# Allegro board SSOM_K1_Layout.brd (continued)
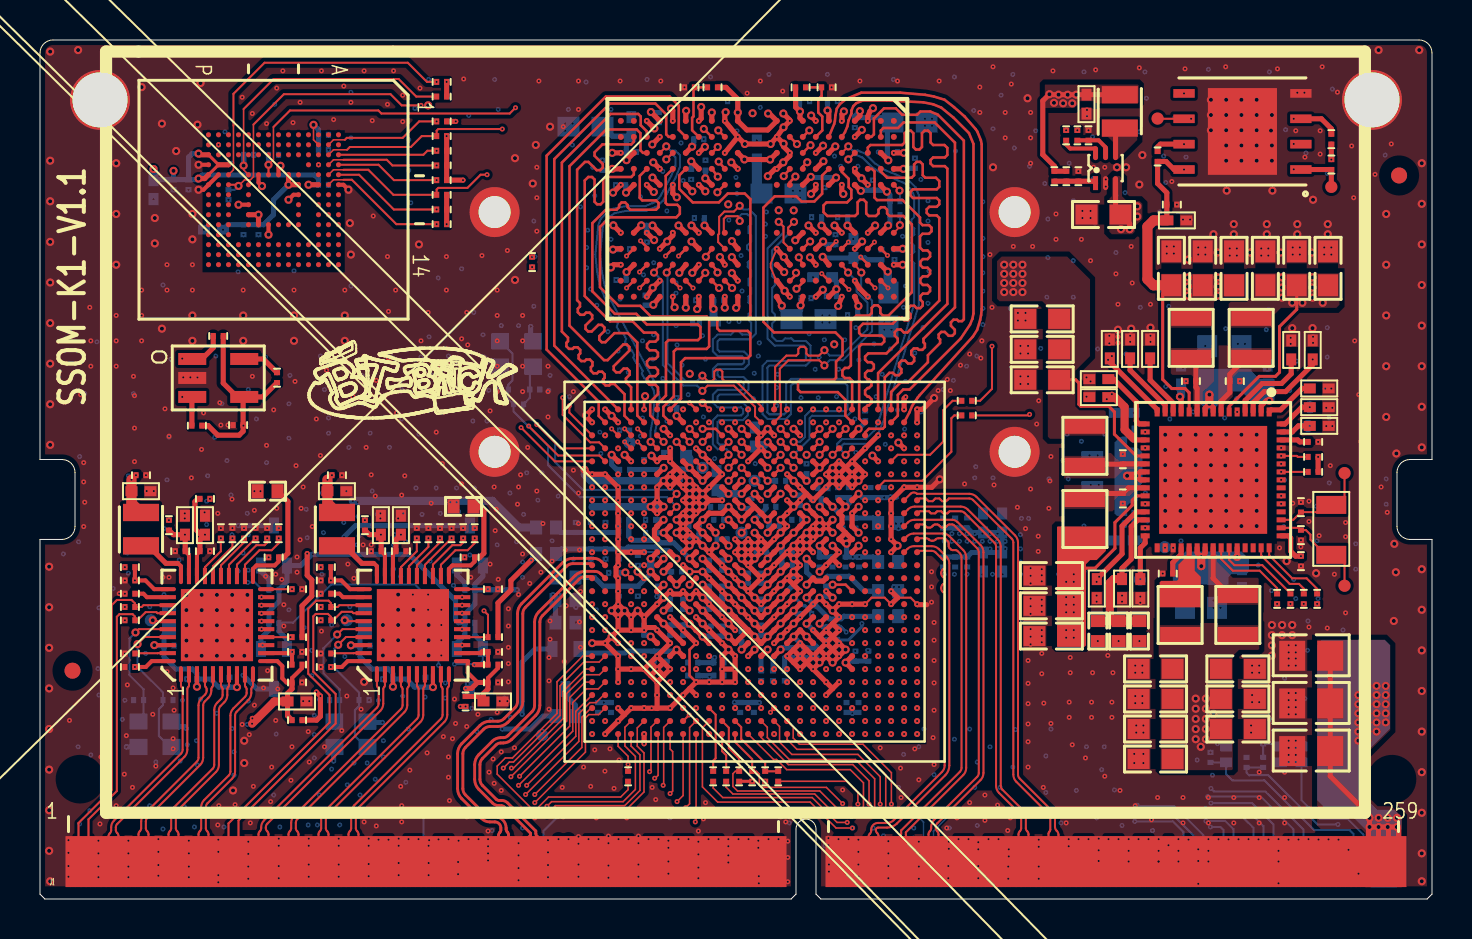
[diagram p0: board, top side]
## Routing (per net, layer and track width the routed paths; a pad name or vN(x,y) marks a point on that pad's centre or on a via; arc(x,y) is an arc through that point) (continued)
  vias: v1(1.42,2.95) v1(1.42,2.31) v1(1.42,1.65) v1(1.42,1.12) v1(1.47,8.94) v1(2.03,25.25) v1(2.18,21.84) v1(2.18,20.88) v1(2.24,19.86) v1(2.18,18.64) v1(2.49,29.62) v1(2.92,2.92) v1(2.92,2.29) v1(2.92,1.63) v1(2.92,1.09) v1(3.05,7.11) v1(3,3.76) v1(3.81,4.67) v1(3.96,15.29) v1(4.24,15.95) v1(4.24,15.28) v1(4.24,14.62) v1(4.24,12.29) v1(4.22,6.25) v1(4.37,10.72) v1(4.42,2.92) v1(4.42,2.29) v1(4.42,1.63) v1(4.42,1.09) v1(4.62,5.59) v1(4.67,26.16) v1(4.72,25.2) v1(4.72,23.57) v1(4.72,21.89) v1(5.33,20.42) v1(5.64,9.25) v1(5.69,20.42) v1(5.92,3) v1(5.92,2.36) v1(5.92,1.7) v1(5.92,1.17) v1(6.15,16.1) v1(6.25,24.54) v1(6.35,11.38) v1(6.45,23.16) v1(6.45,16.1) v1(6.65,10.57) v1(6.65,8.03) v1(6.76,17.41) v1(7.16,26.11) v1(7.24,19.3) v1(7.24,19.05) v1(7.44,2.92) v1(7.44,2.29) v1(7.44,1.63) v1(7.44,1.09) v1(7.52,26.11) v1(7.57,21.08) v1(7.87,26.11) v1(8.08,22.5) v1(8.18,24.33) v1(8.23,19.35) v1(8.5,17.41) v1(8.93,37.75) v1(8.92,1.19) v1(8.92,0.84) v1(8.99,24.84) v1(9.04,23.72) v1(9.04,18.56) v1(9.4,23.72) v1(9.6,20.02) v1(9.75,4.72) v1(10.11,40.13) v1(10.2,18.56) v1(10.46,8.23) v1(10.52,3.81) v1(10.62,39.32) v1(10.62,26.16) v1(10.67,5.64) v1(10.78,18.56) v1(10.97,4.32) v1(11.33,38.81) v1(11.33,22.71) v1(11.36,18.56) v1(11.53,4.88) v1(11.68,24.49) v1(11.84,40.59) v1(11.79,16.26) v1(11.94,3.02) v1(11.94,2.67) v1(12.14,41.45) v1(12.09,16) v1(12.65,38.86) v1(12.75,25.91) v1(12.8,21.69) v1(12.85,17.12) v1(13,39.88) v1(13.16,20.62) v1(13.41,8.38) v1(13.44,3.02) v1(13.44,2.67) v1(13.46,6.86) v1(13.61,18.64) v1(13.82,24.03) v1(13.93,36.75) v1(14.02,22.2) v1(14.04,15.95) v1(14.07,41.45) v1(14.22,7.62) v1(14.33,26.47) v1(14.68,39.01) v1(14.94,3.02) v1(14.94,2.67) v1(15.1,21.22) v1(15.09,8.43) v1(15.19,40.69) v1(15.32,20.41) v1(15.39,16.76) v1(15.54,39.88) v1(15.65,25.15) v1(15.7,16.05) v1(16.21,41.45) v1(16.21,3.86) v1(16.31,22.61) v1(16.43,3.02) v1(16.43,2.67) v1(16.61,38.96) v1(16.56,21.23) v1(16.66,34.19) v1(16.71,4.42) v1(16.81,25.96) v1(16.76,20.17) v1(16.81,3.66) v1(17.02,19.3) v1(17.02,19.05) v1(17.37,39.78) v1(17.37,32.16) v1(17.42,29.41) v1(17.42,27.08) v1(17.68,41.45) v1(17.83,24.33) v1(17.91,19.05) v1(17.93,3.02) v1(17.93,2.67) v1(18.03,5.64) v1(18.14,40.23) v1(18.14,38.91) v1(18.08,20.22) v1(18.08,4.67) v1(18.08,3.86) v1(18.24,21.18) v1(18.16,19.3) v1(18.49,6.45) v1(18.64,42.52) v1(18.64,15.24) v1(18.84,18.56) v1(18.9,25.81) v1(19,40.59) v1(19.41,29.36) v1(19.42,18.56) v1(19.41,15.24) v1(19.41,14.48) v1(19.35,7.32) v1(19.43,2.67) v1(19.46,2.95) v1(19.56,19.81) v1(19.71,42.52) v1(19.81,23.37) v1(20,18.56) v1(20.12,21.79) v1(20.07,14.48) v1(20.07,13.72) v1(20.07,12.95) v1(20.07,12.19) v1(20.17,8.13) v1(20.32,32.16) v1(20.58,18.56) v1(20.73,10.01) v1(20.83,42.52) v1(20.78,8.79) v1(20.93,2.92) v1(21.08,28.04) v1(21.08,20.78) v1(21.18,41.05) v1(21.16,18.56) v1(21.23,17.1) v1(21.34,29.36) v1(21.39,27.74) v1(21.54,16.1) v1(21.89,42.52) v1(22.1,32.21) v1(22.4,3) v1(22.4,2.64) v1(22.4,2.29) v1(22.4,1.93) v1(22.5,24.43) v1(22.5,16.76) v1(22.45,6.35) v1(22.71,20.62) v1(22.81,19.51) v1(22.76,18.44) v1(22.91,16) v1(22.96,42.52) v1(23.37,32.46) v1(23.72,7.57) v1(23.93,20.62) v1(23.88,19.76) v1(24.03,21.23) v1(24.38,22.61) v1(24.84,36.63) v1(24.84,35.1) v1(24.84,33.43) v1(24.84,20.42) v1(26.16,38.66) v1(26.16,4.11) v1(26.67,21.46) v1(26.92,39.52) v1(26.92,3.12) v1(27.61,8.91) v1(27.61,8.26) v1(28.42,3.15) v1(28.42,2.79) v1(28.5,7.52) v1(28.96,6.96) v1(29.92,3.15) v1(29.92,2.79) v1(30.78,4.98) v1(31.42,2.92) v1(31.42,2.57) v1(31.6,4.17) v1(32.92,3.4) v1(32.92,2.87) v1(32.92,2.24) v1(32.92,1.57) v1(32.92,1.04) v1(33.17,4.01) v1(34.42,3) v1(34.42,2.64) v1(34.42,2.18) v1(34.42,1.83) v1(35.92,2.92) v1(35.92,2.57) v1(35.94,1.14) v1(35.94,0.79) v1(37.03,4.11) v1(37.29,3.86) v1(37.39,2.9) v1(37.39,2.08) v1(37.39,0.86) v1(37.49,4.11) v1(39.42,2.69) v1(39.45,1.73) v1(39.45,1.37) v1(43.21,8.26) v1(43.86,8.91) v1(44.58,16.38) v1(44.58,15.62) v1(44.58,14.86) v1(44.7,13.84) v1(44.7,12.95) v1(44.7,11.94) v1(44.7,10.82) v1(44.7,9.45) v1(44.65,8.08) v1(44.91,25.45) v1(45.36,26.01) v1(45.44,2.87) v1(45.44,2.51) v1(45.52,25.45) v1(46.02,26.72) v1(46.23,20.78) v1(46.48,27.28) v1(46.91,2.84) v1(46.91,2.49) v1(47.04,27.08) v1(47.09,27.94) v1(47.24,42.57) v1(47.5,32.26) v1(47.6,29.62) v1(47.65,41.66) v1(47.7,20.73) v1(48.31,42.57) v1(48.44,2.49) v1(48.44,2.13) v1(48.56,40.79) v1(48.67,32.66) v1(48.9,29.34) v1(48.9,28.96) v1(48.87,19.61) v1(49.28,29.34) v1(49.28,18.54) v1(49.38,42.57) v1(49.53,20.52) v1(49.63,32.66) v1(49.83,23.77) v1(49.94,24.94) v1(49.91,18.16) v1(49.91,17.4) v1(49.94,2.97) v1(49.94,2.62) v1(50.09,16.51) v1(50.09,16.21) v1(50.09,15.9) v1(50.09,14.99) v1(50.09,14.68) v1(50.09,14.38) v1(50.09,13.46) v1(50.09,13.16) v1(50.09,12.85) v1(50.09,12.29) v1(50.09,11.28) v1(50.19,9.8) v1(50.44,19.56) v1(50.55,22.15) v1(50.5,20.93) v1(50.55,8.79) v1(50.6,42.57) v1(50.65,41.45) v1(51.44,3) v1(51.44,2.64) v1(51.51,12.09) v1(51.51,11.33) v1(51.46,9.86) v1(51.46,9.09) v1(51.61,7.72) v1(51.66,42.57) v1(52.35,39.5) v1(52.35,39.19) v1(52.32,26.11) v1(52.32,25.15) v1(52.27,7.06) v1(52.43,38.48) v1(52.53,25.91) v1(52.63,11.33) v1(52.58,9.86) v1(52.58,9.09) v1(52.73,42.57) v1(52.78,41.5) v1(52.83,15.19) v1(52.83,14.88) v1(52.93,3.02) v1(52.93,2.44) v1(52.93,1.91) v1(53.24,6.15) v1(53.39,12.19) v1(53.64,11.33) v1(53.59,9.86) v1(53.59,9.09) v1(53.85,42.57) v1(53.8,31.29) v1(53.9,29.77) v1(53.9,28.14) v1(53.9,27.84) v1(54,5.44) v1(54.14,22.27) v1(54.14,19.8) v1(54.1,15.19) v1(54.1,14.88) v1(54.43,3) v1(54.43,2.41) v1(54.43,1.88) v1(54.51,28.19) v1(54.51,27.89) v1(54.56,32.66) v1(54.61,30.84) v1(54.76,11.68) v1(54.76,11.33) v1(54.76,10.16) v1(54.76,9.8) v1(54.81,8.69) v1(54.81,8.33) v1(54.76,4.67) v1(54.91,42.57) v1(54.97,41.61) v1(55.02,15.14) v1(55.02,14.83) v1(55.12,11.68) v1(55.12,11.33) v1(55.12,10.16) v1(55.12,9.8) v1(55.17,8.69) v1(55.17,8.33) v1(55.52,29.77) v1(55.52,28.19) v1(55.52,27.89) v1(55.58,3.96) v1(55.93,3) v1(55.93,2.41) v1(55.93,1.88) v1(55.92,1.88) v1(55.98,42.57) v1(56.14,16.29) v1(56.34,32.66) v1(56.34,32.31) v1(56.59,35.92) v1(56.69,32.66) v1(56.69,32.31) v1(56.66,17.58) v1(56.84,34.76) v1(56.92,3) v1(56.92,2.41) v1(56.92,1.88) v1(57.15,42.57) v1(57.15,34.01) v1(57.25,41.55) v1(57.29,25.92) v1(57.51,34.01) v1(57.91,32.61) v1(57.91,32.26) v1(57.91,2.49) v1(57.91,1.91) v1(57.91,0.76) v1(58.22,42.57) v1(58.27,32.61) v1(58.27,32.26) v1(58.42,3) v1(58.42,2.41) v1(58.42,1.88) v1(59.28,42.57) v1(59.28,41.66) v1(59.49,32.56) v1(59.49,32.21) v1(59.84,32.56) v1(59.84,32.21) v1(59.86,24.38) v1(59.99,25.92) v1(60.5,42.57) v1(60.6,11.68) v1(60.6,11.33) v1(60.6,10.21) v1(60.6,9.86) v1(60.55,8.69) v1(60.55,8.33) v1(60.96,11.68) v1(60.96,11.33) v1(60.96,9.86) v1(61.06,32.56) v1(61.06,32.21) v1(61.42,32.56) v1(61.42,32.21) v1(61.57,42.57) v1(61.87,41.55) v1(61.93,3) v1(61.93,2.41) v1(61.93,1.88) v1(61.93,0.79) v1(61.98,17.58) v1(62.06,22.58) v1(62.43,12.7) v1(62.43,12.34) v1(62.43,12.04) v1(62.43,11.68) v1(62.43,10.31) v1(62.43,9.96) v1(62.43,9.6) v1(62.43,9.25) v1(62.43,7.92) v1(62.43,7.57) v1(62.43,7.21) v1(62.43,6.86) v1(62.53,28.09) v1(62.53,27.79) v1(62.64,32.61) v1(62.64,32.26) v1(62.64,19.81) v1(62.79,38.46) v1(62.79,12.7) v1(62.79,12.34) v1(62.79,12.04) v1(62.79,11.68) v1(62.79,10.31) v1(62.79,9.96) v1(62.79,9.6) v1(62.79,9.25) v1(62.79,7.92) v1(62.79,7.57) v1(62.79,7.21) v1(62.79,6.86) v1(62.87,40.36) v1(62.99,32.61) v1(62.99,32.26) v1(63.05,19.87) v1(63.05,17.96) v1(63.04,17.63) v1(63.05,16.66) v1(63.22,40.36) v1(63.25,37.13) v1(63.45,19.91) v1(63.45,18.9) v1(63.45,13.61) v1(63.65,28.14) v1(63.65,27.84) v1(63.91,22.88) v1(64.01,38.46) v1(64.01,37.29) v1(63.96,18.19) v1(64.11,41.66) v1(64.21,32.61) v1(64.21,32.26) v1(64.26,25.55) v1(64.31,24.59) v1(64.31,23.67) v1(64.36,13.56) v1(64.52,21.69) v1(64.57,32.61) v1(64.57,32.26) v1(64.57,25.55) v1(64.62,24.59) v1(64.62,23.67) v1(64.72,16.26) v1(64.87,40.39) v1(65.28,18.85) v1(65.28,18.14) v1(65.28,14.33) v1(65.58,37.69) v1(65.68,35.1) v1(65.74,27.94) v1(65.94,25.25) v1(66.04,22.91) v1(66.14,32.77) v1(66.14,21.64) v1(66.19,30.48) v1(66.75,36.27) v1(67.06,20.62) v1(67.36,19.35) v1(67.56,37.8) v2(1.57,7.77) v2(2.03,25.65) v2(2.34,2.44) v2(3.86,2.44) v2(4.83,17.37) v2(4.88,25.7) v2(5.38,2.44) v2(5.74,18.64) v2(5.97,20.83) v2(6.25,22.71) v2(6.2,4.11) v2(6.81,2.39) v2(8.03,2.44) v2(9.19,23.16) v2(9.4,20.57) v2(9.8,21.95) v2(10.87,21.54) v2(11.94,22.96) v2(12.19,3.35) v2(13.72,19.76) v2(13.67,3.35) v2(13.92,33.48) v2(14.02,18.69) v2(14.61,7.24) v2(15.09,3.35) v2(15.19,40.13) v2(15.54,17.17) v2(15.54,8.28) v2(16.15,13.41) v2(16.21,12.14) v2(16.89,8.38) v2(17.07,27.38) v2(17.68,16.92) v2(18.59,36.12) v2(19.41,3.3) v2(20.47,37.49) v2(20.93,3.3) v2(23.37,15.34) v2(27.74,10.21) v2(27.74,9.25) v2(28.3,7.82) v2(28.55,10.72) v2(28.7,9.25) v2(29.16,39.47) v2(29.87,11.23) v2(30.02,13.77) v2(30.63,17.73) v2(30.58,9.91) v2(31.19,11.84) v2(31.75,22.2) v2(31.85,21.49) v2(32.46,11.18) v2(32.66,1.32) v2(34.44,11.18) v2(35.56,0.71) v2(39.83,1.52) v2(40.79,21.59) v2(40.84,11.84) v2(42.21,13.87) v2(45.62,12.65) v2(45.59,9.65) v2(45.67,11.07) v2(46.43,21.44) v2(47.14,29.97) v2(47.19,32.61) v2(50.44,14.83) v2(50.5,16.21) v2(50.95,8.64) v2(51.92,7.42) v2(52.68,6.65) v2(52.83,14.48) v2(52.88,38.46) v2(53.85,40.08) v2(54.1,32.66) v2(54.46,8.74) v2(54.56,5.44) v2(55.17,39.73) v2(55.37,38.3) v2(55.63,8.53) v2(55.75,15.11) v2(55.75,5.46) v2(56.03,3.91) v2(56.18,34.8) v2(56.24,15.85) v2(56.77,9.53) v2(56.9,12.6) v2(57.78,13.97) v2(58.22,6.86) v2(58.62,11.33) v2(59.23,7.77) v2(59.28,10.21) v2(59.28,8.53) v2(59.94,25.53) v2(60.25,13.06) v2(60.25,11.48) v2(60.25,8.53) v2(60.26,24.38) v2(60.3,7.01) v2(60.76,9.45) v2(60.86,4.27) v2(61.11,10.41) v2(61.21,7.01) v2(62.33,19.05) v2(64.11,2.24) v2(64.36,35.92) v2(64.97,40.79) v2(66.8,2.08) v2(67.11,11.63) v2(67.31,35.56) v2(68.02,9.5) v2(68.07,1.42) v3(4.27,29.57) v3(5.18,8.08) v3(8.08,31.09) v3(9.45,9.96) v3(11.33,0.76) v3(12.85,0.71) v3(13.87,33.88) v3(14.48,0.71) v3(14.63,8.23) v3(14.68,8.99) v3(15.34,10.26) v3(15.65,7.87) v3(16,9.14) v3(16.05,0.71) v3(17.58,0.71) v3(18.95,0.71) v3(20.42,12.19) v3(20.62,0.66) v3(22.45,9.65) v3(24.59,27.18) v3(24.59,8.48) v3(25.7,17.02) v3(26.16,14.38) v3(26.52,15.85) v3(28.04,15.9) v3(28.14,12.4) v3(29.36,12.24) v3(41.55,2.59) v3(42.06,0.71) v3(43.23,0.71) v3(43.59,1.47) v3(43.69,7.26) v3(44.5,0.76) v3(45.87,0.76) v3(46.89,0.71) v3(48.46,27.64) v3(50.34,23.27) v3(50.55,22.56) v3(52.68,31.45) v3(56.59,31.09) v3(57.2,16.21) v3(57.2,2.95) v3(58.78,6.86) v3(58.88,3.81) v3(60.1,25.91) v3(60.15,4.37) v3(60.2,3.76) v3(61.01,5.13) v3(61.01,4.62) v3(61.01,3.15) v3(61.32,7.37) v3(62.79,1.73) v3(64.62,6.15) v3(64.57,2.29) v3(64.67,4.47) v3(65.33,10.11) v3(65.38,8.84) v3(65.38,7.52) v3(66.14,6.81) v3(66.14,4.98) v3(66.24,2.18) v3(67.41,12.09) v3(68.07,1.98) v4(1.17,17.27) v4(1.68,3) v4(1.68,2.44) v4(1.67,1.88) v4(1.68,1.27) v4(1.93,17.88) v4(1.91,7.62) v4(1.98,22.15) v4(1.98,3.76) v4(2.24,25.3) v4(2.54,7.21) v4(2.49,4.42) v4(2.84,27.89) v4(2.95,14.58) v4(2.9,11.53) v4(2.95,10.21) v4(3.15,23.83) v4(3.15,6.6) v4(3.1,5.08) v4(3.17,2.97) v4(3.17,2.41) v4(3.17,1.85) v4(3.17,1.24) v4(3.45,10.82) v4(3.51,9.65) v4(3.66,15.54) v4(4.11,8.99) v4(4.24,9.95) v4(4.32,19.46) v4(4.42,21.18) v4(4.37,17.32) v4(4.42,16.31) v4(4.67,25.3) v4(4.67,2.97) v4(4.67,2.41) v4(4.67,1.85) v4(4.67,1.24) v4(4.83,13.92) v4(5.28,12.29) v4(5.38,13.26) v4(5.49,14.63) v4(5.49,4.67) v4(5.68,35.03) v4(5.79,6.86) v4(6.15,30.73) v4(6.15,3.51) v4(6.2,18.54) v4(6.2,15.24) v4(6.17,2.97) v4(6.17,2.41) v4(6.17,1.85) v4(6.17,1.24) v4(6.35,20.98) v4(6.45,23.11) v4(6.55,27.03) v4(6.6,4.32) v4(6.68,35.5) v4(6.7,12.68) v4(6.96,16.97) v4(7.01,6.91) v4(7.21,4.62) v4(7.34,11.01) v4(7.43,35.5) v4(7.37,7.72) v4(7.72,3.61) v4(7.67,2.97) v4(7.67,2.41) v4(7.67,1.85) v4(7.67,1.24) v4(7.82,7.92) v4(7.87,6.71) v4(8.03,10.01) v4(8.2,33.5) v4(8.33,19.91) v4(8.33,18.75) v4(8.38,21.18) v4(8.74,23.11) v4(8.79,27.18) v4(8.84,9.3) v4(9.25,38.4) v4(9.19,3.61) v4(9.17,2.97) v4(9.17,2.41) v4(9.17,1.85) v4(9.17,1.24) v4(9.35,21.95) v4(9.43,35) v4(9.45,4.17) v4(9.47,11.11) v4(9.6,36.83) v4(9.55,20.22) v4(9.6,18.24) v4(9.6,8.53) v4(9.7,7.37) v4(9.7,6.2) v4(9.91,31.39) v4(9.91,16.41) v4(10.18,33.25) v4(10.16,17.32) v4(10.36,19.3) v4(10.41,18.24) v4(10.41,16.46) v4(10.41,9.91) v4(10.36,8.74) v4(10.69,37.25) v4(10.67,3) v4(10.67,2.44) v4(10.67,1.88) v4(10.67,1.27) v4(10.93,33.25) v4(11.28,27.13) v4(11.33,21.84) v4(11.73,39.78) v4(11.93,37.25) v4(11.99,3.61) v4(12.17,2.97) v4(12.17,2.41) v4(12.17,1.85) v4(12.17,1.24) v4(12.45,23.06) v4(12.7,31.45) v4(13.31,19.51) v4(13.36,18.08) v4(13.41,3.71) v4(13.67,2.95) v4(13.67,2.39) v4(13.66,1.82) v4(13.67,1.22) v4(13.87,3.71) v4(14.02,27.18) v4(14.12,20.32) v4(14.17,18.34) v4(14.42,38.25) v4(14.42,37.5) v4(14.42,35.75) v4(14.43,19.51) v4(14.58,13.72) v4(14.58,6.5) v4(14.99,3.71) v4(15.19,18.85) v4(15.24,12.14) v4(15.19,2.95) v4(15.19,2.39) v4(15.19,1.82) v4(15.19,1.22) v4(15.29,20.42) v4(15.37,5.71) v4(15.54,40.39) v4(15.54,38.1) v4(15.54,30.68) v4(15.49,14.63) v4(15.7,6.81) v4(15.85,17.73) v4(15.9,19.15) v4(15.95,18.19) v4(16,5.21) v4(16.36,6.81) v4(16.5,12.68) v4(16.46,9.96) v4(16.61,20.42) v4(16.69,2.97) v4(16.69,2.41) v4(16.69,1.85) v4(16.69,1.24) v4(16.76,5.99) v4(16.92,9.95) v4(17.12,15.24) v4(17.12,14.43) v4(17.14,11.01) v4(17.17,7.92) v4(17.17,7.11) v4(17.53,27.23) v4(17.73,18.24) v4(17.68,17.73) v4(17.68,16.51) v4(18.03,16.15) v4(18.14,10.16) v4(18.16,2.97) v4(18.16,2.41) v4(18.16,1.85) v4(18.16,1.24) v4(18.29,17.88) v4(18.44,38) v4(18.44,36.47) v4(18.54,34.85) v4(18.75,39.57) v4(19.05,27.13) v4(19.27,11.11) v4(19.25,10.11) v4(19.46,28.14) v4(19.68,2.92) v4(19.68,2.36) v4(19.91,31.09) v4(20.27,10.82) v4(20.27,10.06) v4(20.42,27.18) v4(20.68,15.7) v4(21.08,31.55) v4(21.18,2.95) v4(21.18,1.75) v4(21.44,39.22) v4(21.64,23.93) v4(21.59,9.55) v4(21.69,29.36) v4(22.15,28.24) v4(22.35,23.93) v4(22.35,10.36) v4(22.56,8.99) v4(22.61,3.43) v4(22.68,2.44) v4(22.91,39.52) v4(23.06,28.7) v4(23.22,10.06) v4(23.24,4.19) v4(23.52,9.09) v4(23.93,28.7) v4(24.13,16.87) v4(24.13,16.1) v4(24.13,3.56) v4(24.18,2.84) v4(24.18,0.86) v4(24.33,21.34) v4(24.69,33.93) v4(24.74,32.16) v4(24.69,29.67) v4(25.1,21.34) v4(25.5,26.21) v4(25.6,17.93) v4(25.68,0.86) v4(26.26,38.81) v4(26.26,38.46) v4(26.42,39.52) v4(26.47,25.15) v4(26.62,38.81) v4(26.62,38.46) v4(26.62,37.74) v4(26.67,17.02) v4(27.03,34.65) v4(27.18,1.55) v4(27.53,17.02) v4(27.64,36.63) v4(27.74,35.2) v4(27.81,14.48) v4(27.99,23.37) v4(28.04,22.3) v4(28.12,36.98) v4(28.28,17.02) v4(28.55,39.52) v4(28.94,17.02) v4(28.98,23.46) v4(29.49,32.53) v4(29.57,39.32) v4(29.82,37.39) v4(29.89,16.7) v4(30.02,23.16) v4(30.34,32.88) v4(30.28,18.34) v4(31.35,22.24) v4(31.99,21.01) v4(32.79,29.97) v4(33.17,1.27) v4(33.17,0.81) v4(33.27,4.19) v4(34.34,4.22) v4(34.67,2.59) v4(34.67,1.3) v4(34.85,38.46) v4(34.8,36.12) v4(34.85,35.31) v4(36.02,39.62) v4(37.47,3.81) v4(38.65,31.12) v4(38.99,4.19) v4(39.24,2.67) v4(39.67,2.95) v4(39.67,2.39) v4(39.67,1.82) v4(39.67,1.22) v4(39.78,33.25) v4(39.98,21.79) v4(40.64,3.56) v4(40.67,33.04) v4(40.79,22.35) v4(41.64,35.98) v4(41.66,4.45) v4(41.66,3.56) v4(41.86,22.56) v4(42.07,32.49) v4(42.27,22.76) v4(43.23,23.52) v4(43.94,7.62) v4(44.04,24.38) v4(44.25,39.07) v4(44.25,38.71) v4(44.2,8.51) v4(44.6,39.07) v4(44.6,38.71) v4(45.16,25.5) v4(45.67,25.96) v4(45.72,8) v4(45.77,37.44) v4(46.33,26.67) v4(46.48,8.51) v4(46.69,39.47) v4(46.74,5.59) v4(46.84,27.18) v4(46.79,21.64) v4(46.86,6.86) v4(46.86,3.68) v4(47.14,34.9) v4(47.14,33.07) v4(47.14,32.16) v4(47.14,31.34) v4(47.14,30.43) v4(47.14,29.57) v4(47.14,28.75) v4(47.09,27.94) v4(47.5,7.62) v4(47.65,38.56) v4(47.68,2.97) v4(47.68,2.03) v4(47.68,0.89) v4(48.01,5.59) v4(48.06,40.23) v4(48.51,29.57) v4(48.64,6.6) v4(48.72,37.59) v4(48.67,2.06) v4(48.67,0.89) v4(48.77,8.48) v4(48.92,28.65) v4(49.02,16.26) v4(49.4,4.32) v4(49.48,36.68) v4(49.78,38.46) v4(49.91,16.26) v4(50.24,35.81) v4(50.34,30.12) v4(50.29,7.16) v4(50.29,5.33) v4(50.39,34.04) v4(50.39,32.11) v4(50.55,8.51) v4(50.67,2.97) v4(50.93,16.26) v4(51.05,3.81) v4(51.36,23.27) v4(51.46,36.83) v4(51.66,34.95) v4(51.66,31.95) v4(51.66,30.12) v4(51.82,5.44) v4(52.2,18.67) v4(52.2,18.03) v4(52.2,17.27) v4(52.2,16.38) v4(52.32,39.32) v4(52.32,7.62) v4(52.63,38.15) v4(52.58,18.03) v4(52.68,36.07) v4(52.73,33.83) v4(52.83,4.06) v4(52.88,27.53) v4(53.09,6.48) v4(53.21,7.62) v4(53.19,2.92) v4(53.19,2.36) v4(53.19,1.8) v4(53.19,1.19) v4(53.49,40.23) v4(53.72,5.46) v4(53.72,4.45) v4(53.8,35.2) v4(53.8,32.36) v4(54.1,3.68) v4(54.15,34.14) v4(54.25,35.36) v4(54.31,27.28) v4(54.69,3) v4(54.69,2.11) v4(54.97,38.4) v4(55.02,29.62) v4(55.32,40.08) v4(55.27,20.32) v4(55.58,24.79) v4(55.63,3.43) v4(55.98,34.39) v4(55.98,30.48) v4(56.18,37.19) v4(56.29,35.86) v4(56.29,25.65) v4(56.44,29.67) v4(56.49,24.03) v4(56.74,39.12) v4(56.79,40.23) v4(57.05,17.93) v4(57.15,26.57) v4(57.3,37.13) v4(57.66,24.38) v4(57.86,6.96) v4(58.27,27.69) v4(58.27,27.33) v4(58.62,27.69) v4(58.62,27.33) v4(58.62,6.2) v4(58.67,14.94) v4(58.67,14.58) v4(58.88,8.74) v4(58.88,8.28) v4(58.88,7.77) v4(59.03,14.94) v4(59.03,14.58) v4(59.23,24.08) v4(59.28,28.55) v4(59.84,25.04) v4(59.94,31.09) v4(59.89,27.79) v4(59.89,27.43) v4(59.99,29.41) v4(60.1,15.7) v4(60.25,27.79) v4(60.25,27.43) v4(60.5,13.41) v4(60.66,24.38) v4(60.91,16.71) v4(61.26,30.48) v4(61.32,28.5) v4(61.42,29.51) v4(61.37,26.87) v4(61.37,26.52) v4(61.57,15.44) v4(62.23,23.42) v4(62.23,20.98) v4(62.18,18.64) v4(62.28,38.51) v4(62.48,25.45) v4(62.69,16) v4(62.84,26.92) v4(62.79,15.04) v4(62.89,30.48) v4(63.3,37.34) v4(63.4,13.92) v4(63.8,19.66) v4(63.86,17.93) v4(63.91,15.04) v4(64.26,32.11) v4(64.26,25.5) v4(64.36,36.32) v4(64.36,28.6) v4(64.36,27.13) v4(64.47,30.48) v4(64.47,24.08) v4(64.47,20.83) v4(64.62,40.54) v4(67.26,37.24) v4(67.31,21.03) v4(67.31,19.76) v5(0.51,42.42) v5(0.51,36.96) v5(0.51,34.92) v5(0.51,32.89) v5(0.51,30.86) v5(0.51,28.83) v5(0.51,26.8) v5(0.51,24.77) v5(0.51,22.73) v5(0.46,16.64) v5(0.46,14.61) v5(0.46,12.57) v5(0.46,10.54) v5(0.46,8.51) v5(0.46,6.48) v5(0.46,4.45) v5(0.46,2.41) v5(0.51,0.89) v5(1.91,42.49) v5(3.81,36.83) v5(3.81,34.29) v5(3.81,31.75) v5(3.94,42.49) v5(5.74,34.09) v5(5.74,32.82) v5(5.97,42.49) v5(6.1,38.81) v5(6.1,28.55) v5(6.81,37.44) v5(7.32,15.22) v5(7.32,14.46) v5(7.32,13.7) v5(7.32,12.94) v5(7.32,12.18) v5(7.62,34.29) v5(7.62,33.02) v5(7.62,29.21) v5(7.62,27.94) v5(7.87,38.76) v5(8,42.49) v5(8.03,40.84) v5(8.08,15.22) v5(8.08,14.46) v5(8.08,13.7) v5(8.08,12.94) v5(8.08,12.18) v5(8.85,15.22) v5(8.85,14.46) v5(8.85,13.7) v5(8.85,12.94) v5(8.85,12.18) v5(9.61,15.22) v5(9.61,14.46) v5(9.61,13.7) v5(9.61,12.94) v5(9.61,12.18) v5(9.65,5.44) v5(10.03,42.49) v5(10.16,29.21) v5(10.16,27.94) v5(10.22,12.18) v5(10.21,7.92) v5(10.21,6.81) v5(10.37,15.22) v5(10.37,14.46) v5(10.37,13.7) v5(10.37,12.94) v5(12.06,42.49) v5(12.7,29.21) v5(12.7,27.94) v5(14.1,42.49) v5(15.24,29.21) v5(15.24,27.94) v5(15.49,33.83) v5(15.54,32.26) v5(16.13,42.49) v5(16.21,10.87) v5(17.14,13.72) v5(17.14,12.95) v5(17.14,12.19) v5(17.63,42.52) v5(17.91,15.24) v5(17.91,14.48) v5(17.91,13.72) v5(17.91,12.95) v5(17.91,12.19) v5(18.65,13.71) v5(18.67,14.48) v5(18.67,12.95) v5(18.67,12.19) v5(18.95,32.77) v5(19.43,13.72) v5(19.43,12.95) v5(19.43,12.19) v5(23.75,37.08) v5(23.75,30.99) v5(24.64,35.81) v5(24.79,37.74) v5(25.5,38.66) v5(47.65,36.63) v5(49.38,40.08) v5(53.85,36.63) v5(53.9,28.5) v5(54.31,36.63) v5(54.56,28.55) v5(54.97,35.76) v5(55.12,37.24) v5(55.52,28.6) v5(56.26,23.24) v5(56.26,22.48) v5(56.26,21.72) v5(56.26,20.95) v5(56.26,20.19) v5(56.26,19.43) v5(56.26,18.67) v5(57.02,23.24) v5(57.02,22.48) v5(57.02,21.72) v5(57.02,20.95) v5(57.02,20.19) v5(57.02,19.43) v5(57.02,18.67) v5(57.4,32) v5(57.78,23.24) v5(57.78,22.48) v5(57.78,21.72) v5(57.78,20.95) v5(57.78,20.19) v5(57.78,19.43) v5(57.78,18.67) v5(58.55,40.01) v5(58.55,39.24) v5(58.55,38.48) v5(58.55,23.24) v5(58.55,22.48) v5(58.55,21.72) v5(58.55,20.95) v5(58.55,20.19) v5(58.55,19.43) v5(58.55,18.67) v5(58.67,33.27) v5(58.88,32.36) v5(59.31,40.01) v5(59.31,39.24) v5(59.31,38.48) v5(59.31,37.72) v5(59.31,36.96) v5(59.33,35.46) v5(59.31,23.24) v5(59.31,22.48) v5(59.26,21.7) v5(59.31,20.95) v5(59.31,20.19) v5(59.31,19.43) v5(59.31,18.67) v5(59.69,33.78) v5(59.69,33.27) v5(60.07,40.01) v5(60.07,39.24) v5(60.07,38.48) v5(60.07,37.72) v5(60.07,36.96) v5(60.07,23.24) v5(60.07,22.48) v5(60.07,21.72) v5(60.07,20.95) v5(60.07,20.19) v5(60.07,19.43) v5(60.07,18.67) v5(60.5,32.36) v5(60.83,40.01) v5(60.83,39.24) v5(60.83,38.48) v5(60.83,37.72) v5(60.83,36.96) v5(60.83,23.24) v5(60.83,22.48) v5(60.83,21.72) v5(60.83,20.95) v5(60.83,20.19) v5(60.83,19.43) v5(60.83,18.67) v5(61.34,33.78) v5(61.34,33.27) v5(61.59,39.24) v5(61.55,38.46) v5(61.59,37.72) v5(61.59,36.96) v5(61.62,35.46) v5(61.59,13.72) v5(61.59,13.21) v5(61.59,12.7) v5(61.59,12.19) v5(62.03,32.36) v5(62.1,13.72) v5(62.1,13.21) v5(62.33,16.92) v5(62.61,28.57) v5(62.61,13.72) v5(62.61,13.21) v5(62.87,33.78) v5(62.87,33.27) v5(63.12,42.49) v5(63.6,32.36) v5(63.63,28.57) v5(63.65,35) v5(63.8,16.31) v5(64.39,33.78) v5(64.39,33.27) v5(64.9,42.49) v5(67.31,34.29) v5(67.31,31.75) v5(67.31,29.21) v5(67.31,26.67) v5(67.31,24.13) v5(67.72,17.78) v5(67.69,13.92) v5(67.82,22.3) v5(67.79,16.36) v5(68.96,42.49) v5(69.09,36.83) v5(69.09,34.8) v5(69.09,32.77) v5(69.09,30.73) v5(69.09,28.7) v5(69.09,26.67) v5(69.09,24.64) v5(69.09,22.61) v5(69.09,16.51) v5(69.09,14.48) v5(69.09,12.45) v5(69.09,10.41) v5(69.09,8.38) v5(69.09,6.35) v5(69.09,4.32) v5(69.09,2.29) v5(69.09,0.89) v6(7.12,9.95) v6(7.98,26.21) v6(9.09,24.79) v6(10.41,25.5) v6(10.82,24.03) v6(11.68,5.21) v6(11.81,8.26) v6(12.45,24.79) v6(12.45,14.48) v6(12.5,26.21) v6(13.21,13.59) v6(13.59,12.45) v6(13.59,11.18) v6(13.72,9.19) v6(13.72,8.23) v6(13.72,7.06) v6(13.97,9.99) v6(13.97,5.21) v6(14.1,16.26) v6(14.22,25.5) v6(14.43,24.08) v6(14.43,23.32) v6(14.48,9.96) v6(14.73,15.24) v6(15.44,22.61) v6(15.88,16.38) v6(16.1,26.21) v6(16.15,24.79) v6(16.26,4.32) v6(16.51,23.32) v6(16.87,19.25) v6(17.14,4.19) v6(17.48,22.61) v6(18.08,25.5) v6(18.08,24.03) v6(18.14,19.25) v6(18.29,5.84) v6(18.41,8.51) v6(18.54,4.19) v6(18.8,20.57) v6(18.95,23.27) v6(19.1,19.25) v6(19.43,41.02) v6(19.51,16.92) v6(19.68,42.55) v6(19.66,26.21) v6(19.66,1.7) v6(19.66,1.09) v6(19.76,24.74) v6(19.81,20.57) v6(20.02,19.3) v6(20.07,4.19) v6(20.78,25.5) v6(20.83,20.57) v6(20.93,19.41) v6(21.21,42.55) v6(21.49,17.22) v6(21.46,4.19) v6(21.72,20.57) v6(21.84,8.38) v6(21.95,26.21) v6(22.23,19.43) v6(22.44,25.46) v6(22.61,42.55) v6(22.73,41.02) v6(22.68,1.7) v6(22.68,1.09) v6(22.86,17.73) v6(23.5,20.32) v6(23.83,17.88) v6(24.13,42.55) v6(24.18,19.25) v6(24.18,2.13) v6(24.18,1.52) v6(24.89,19.96) v6(25.44,25.46) v6(25.65,42.55) v6(25.68,2.92) v6(25.68,2.31) v6(25.91,20.17) v6(26.54,4.19) v6(26.79,18.85) v6(27.18,2.94) v6(27.18,2.34) v6(27.3,42.55) v6(27.3,40.89) v6(27.33,32.61) v6(27.33,31.6) v6(27.38,33.48) v6(27.53,30.53) v6(27.53,18.85) v6(27.84,29.72) v6(27.94,4.19) v6(28.28,18.85) v6(28.4,28.4) v6(28.55,33.02) v6(28.83,42.55) v6(28.79,35.73) v6(28.81,30.99) v6(28.91,27.43) v6(28.94,15.16) v6(29.01,30.02) v6(29.41,26.37) v6(29.46,4.19) v6(29.57,29.01) v6(29.89,15.16) v6(30.02,35.15) v6(30.12,27.94) v6(30.12,24.08) v6(30.12,22.61) v6(30.23,42.55) v6(30.18,31.24) v6(30.2,22) v6(30.28,30.22) v6(30.28,18.99) v6(30.35,41.02) v6(30.63,27.03) v6(30.68,31.85) v6(30.68,29.11) v6(30.68,28.24) v6(30.84,15.14) v6(30.94,38.87) v6(31.14,36.42) v6(31.14,26.06) v6(31.34,34.44) v6(31.34,23.93) v6(31.39,24.79) v6(31.5,4.06) v6(31.65,31.8) v6(31.75,42.55) v6(31.8,30.84) v6(31.8,30.33) v6(31.8,28.7) v6(31.83,25.09) v6(31.85,27.74) v6(32.05,37.85) v6(32.11,26.72) v6(32.16,35.97) v6(32.41,25.25) v6(32.56,36.02) v6(32.72,34.09) v6(32.8,28.91) v6(33.12,28.19) v6(33.19,38.03) v6(33.17,24.13) v6(33.17,2.89) v6(33.17,2.29) v6(33.27,42.55) v6(33.27,36.98) v6(33.27,27.03) v6(33.53,41.15) v6(33.73,22.05) v6(33.83,21.41) v6(34.18,29.97) v6(34.38,39.93) v6(34.44,33.99) v6(34.44,28.91) v6(34.8,42.55) v6(34.9,33.43) v6(34.95,28.91) v6(35.05,32.21) v6(35.1,30.43) v6(35.71,26.31) v6(35.66,25.04) v6(35.74,23.6) v6(35.84,37.97) v6(35.76,21.79) v6(35.92,27.18) v6(35.97,27.84) v6(36.32,42.55) v6(36.32,34.39) v6(36.27,33.78) v6(36.27,33.17) v6(36.45,41.27) v6(36.83,25.6) v6(36.83,24.69) v6(36.83,4.19) v6(36.88,26.26) v6(37.64,35.46) v6(37.64,35.1) v6(37.72,42.55) v6(37.8,12.09) v6(38,35.46) v6(38,35.1) v6(38.05,25.1) v6(38.33,21.79) v6(38.48,39.93) v6(38.46,28.3) v6(38.58,34.13) v6(38.55,30.07) v6(38.76,26.52) v6(38.91,25.1) v6(38.96,27.13) v6(39.12,29.21) v6(39.12,28.85) v6(39.24,42.55) v6(39.22,35.61) v6(39.22,27.99) v6(39.32,30.18) v6(39.37,41.27) v6(39.47,29.21) v6(39.47,28.85) v6(39.73,37.19) v6(39.83,25.15) v6(39.87,39.93) v6(39.88,34.13) v6(39.93,26.52) v6(40.03,36.68) v6(40.08,38.1) v6(40.23,27.99) v6(40.38,29.22) v6(40.74,38.61) v6(40.74,24.03) v6(40.77,42.55) v6(40.79,28.6) v6(40.77,12.41) v6(40.89,36.68) v6(40.94,26.97) v6(41.26,24.44) v6(41.4,12.45) v6(41.71,27.79) v6(41.81,25.15) v6(41.91,37.39) v6(42.11,26.26) v6(42.21,28.85) v6(42.21,28.5) v6(42.52,27.53) v6(42.57,28.85) v6(42.57,28.5) v6(42.67,42.55) v6(42.67,41.02) v6(42.72,32.01) v6(42.87,37.39) v6(42.88,24.49) v6(42.93,5.59) v6(43.13,33.17) v6(43.05,4.45) v6(43.18,29.62) v6(43.18,7.24) v6(43.28,30.68) v6(43.28,25.91) v6(43.75,37.08) v6(43.74,27.33) v6(43.69,3.56) v6(44.04,36.02) v6(44.15,28.6) v6(44.2,42.55) v6(44.4,34.95) v6(44.4,33.93) v6(44.4,32.87) v6(44.4,29.82) v6(44.45,31.45) v6(44.7,6.22) v6(44.7,4.06) v6(45.21,16.26) v6(45.47,3.56) v6(45.59,42.55) v6(45.72,41.15) v6(45.72,16.26) v6(46.35,16.26) v6(46.74,21.08) v6(47.12,42.55) v6(47.12,16.26) v6(47.62,16.26) v6(47.65,21.08) v6(48.13,16.26) v6(48.64,42.55) v6(48.64,41.27) v6(49.02,18.24) v6(49.02,17.53) v6(49.02,16.87) v6(49.07,19.05) v6(49.43,19.05) v6(50.04,27.56) v6(50.44,21.03) v6(50.55,42.55) v6(50.68,1.88) v6(50.67,1.27) v6(51.16,21.95) v6(51.41,21.03) v6(52.07,42.55) v6(52.07,22.91) v6(52.2,41.4) v6(52.48,22.2) v6(52.48,21.84) v6(52.53,20.73) v6(52.88,22.2) v6(52.88,21.84) v6(52.93,20.73) v6(52.93,20.37) v6(53.24,23.27) v6(53.47,42.55) v6(54.21,23.56) v6(54.2,18.85) v6(54.23,16.51) v6(54.99,42.55) v6(55.24,41.4) v6(55.37,18.92) v6(56.52,42.55) v6(58.29,42.55) v6(58.42,41.53) v6(59.82,42.55) v6(61.34,42.55) v6(61.47,41.4) v6(61.47,9.02) v6(62.23,11.05) v6(63.25,10.03) v6(63.37,12.45) v6(65.15,13.46) v6(65.79,17.78) v6(65.79,16.51) v6(66.42,13.46) v7(2.54,27.94) v7(2.54,26.67) v7(3.81,29.21) v7(3.81,27.94) v7(3.81,26.67) v7(4.32,8.18) v7(5.08,30.48) v7(5.08,29.21) v7(5.08,27.94) v7(5.3,21.22) v7(5.79,6.65) v7(6.35,31.75) v7(6.35,30.48) v7(6.71,9.45) v7(6.65,7.52) v7(7.62,31.75) v7(7.62,30.48) v7(8.89,19.3) v7(8.94,4.67) v7(8.89,3.71) v7(8.92,2.97) v7(8.92,2.36) v7(9.62,18.56) v7(10.11,8.74) v7(10.16,30.48) v7(10.41,2.87) v7(10.41,2.26) v7(10.41,1.63) v7(10.41,1.02) v7(10.72,19.46) v7(10.72,9.7) v7(11.18,10.57) v7(11.28,16.15) v7(11.43,17.1) v7(11.38,11.43) v7(11.58,6.6) v7(11.84,19.56) v7(11.79,8.94) v7(11.89,10.52) v7(11.94,1.65) v7(11.94,1.04) v7(12.19,14.73) v7(12.19,13.67) v7(12.55,5.94) v7(12.6,7.62) v7(12.7,30.48) v7(12.85,16.36) v7(13,17.98) v7(13.06,19.56) v7(13.1,15.51) v7(13.1,12.37) v7(13.1,10.84) v7(13.16,9.91) v7(13.44,1.73) v7(13.44,1.12) v7(13.46,9.91) v7(14.04,15.28) v7(14.04,14.62) v7(14.04,12.29) v7(14.04,11.62) v7(14.07,13.41) v7(14.94,1.73) v7(14.94,1.12) v7(15.24,30.48) v7(15.34,10.16) v7(16.05,9.5) v7(16.15,17.73) v7(16.43,1.75) v7(16.43,1.14) v7(16.56,17.73) v7(16.56,17.41) v7(17.78,30.48) v7(17.93,1.8) v7(17.93,1.19) v7(19.05,27.94) v7(19.43,1.8) v7(19.43,1.19) v7(20.32,30.48) v7(20.32,25.4) v7(20.42,7.11) v7(20.42,6.1) v7(20.47,4.93) v7(20.62,8.03) v7(20.9,1.85) v7(20.9,1.24) v7(21.34,8.64) v7(21.34,4.11) v7(21.59,26.67) v7(21.89,9.25) v7(22.4,3.4) v7(22.66,7.01) v7(22.71,5.79) v7(22.86,30.48) v7(22.86,29.21) v7(22.86,27.94) v7(22.86,26.67) v7(22.86,25.4) v7(22.9,15.51) v7(22.9,12.37) v7(22.9,10.84) v7(22.86,9.35) v7(22.99,9.91) v7(23.06,7.37) v7(23.06,5.44) v7(23.42,14.53) v7(23.42,13.67) v7(23.42,12.6) v7(23.42,11.79) v7(23.42,10.87) v7(23.37,9.91) v7(23.93,15.24) v7(23.93,2.79) v7(23.93,2.18) v7(23.93,1.55) v7(23.93,0.94) v7(23.98,42.57) v7(24.13,29.21) v7(24.13,27.94) v7(24.13,26.67) v7(24.13,25.4) v7(24.13,17.27) v7(24.49,15.8) v7(24.74,4.06) v7(24.94,42.57) v7(24.94,40.94) v7(25.04,16.36) v7(25.15,18.8) v7(25.4,26.67) v7(25.4,25.4) v7(25.4,24.13) v7(25.4,2.95) v7(25.4,2.34) v7(25.4,1.7) v7(25.4,1.09) v7(25.5,13.92) v7(25.5,13) v7(25.45,12.09) v7(25.45,10.92) v7(25.45,9.5) v7(25.6,16.92) v7(25.96,42.57) v7(26.11,5.59) v7(26.21,11.89) v7(26.26,17.48) v7(26.31,14.68) v7(26.67,25.4) v7(26.92,42.57) v7(26.92,40.94) v7(26.92,20.32) v7(26.92,18.8) v7(26.92,1.73) v7(26.92,1.12) v7(26.97,17.48) v7(27.03,15.39) v7(26.97,13.87) v7(27.03,12.6) v7(27.18,6.6) v7(27.53,5.64) v7(27.74,7.47) v7(27.81,4.06) v7(27.94,42.57) v7(28.24,6.4) v7(28.42,1.68) v7(28.42,1.07) v7(28.7,5.54) v7(28.96,42.57) v7(29.01,40.94) v7(29.34,4.06) v7(29.92,42.57) v7(29.92,1.73) v7(29.92,1.12) v7(30.61,5.59) v7(30.94,42.57) v7(31.04,40.94) v7(31.42,1.88) v7(31.42,1.27) v7(31.95,42.57) v7(32.22,40.63) v7(32.92,42.57) v7(33.27,4.83) v7(33.93,42.57) v7(34.8,4.45) v7(35,42.57) v7(35.36,40.34) v7(35.97,42.57) v7(36.02,40.94) v7(36.07,4.45) v7(36.26,5.89) v7(36.98,42.57) v7(37.13,40.44) v7(38.05,42.57) v7(38.23,4.45) v7(39.01,42.57) v7(39.58,40.63) v7(40.03,42.57) v7(39.96,24.51) v7(40.13,5.46) v7(40.89,42.57) v7(40.92,2.97) v7(40.92,2.36) v7(40.92,1.73) v7(40.92,1.12) v7(41,40.94) v7(41.86,42.57) v7(41.91,23.86) v7(42.01,7.57) v7(42.42,2.9) v7(42.42,2.29) v7(42.42,1.65) v7(42.42,1.04) v7(42.88,42.57) v7(42.88,40.94) v7(43.03,6.55) v7(43.05,5.08) v7(43.74,7.52) v7(43.89,42.57) v7(43.94,5.97) v7(43.94,2.87) v7(43.94,2.26) v7(43.94,1.63) v7(43.94,1.02) v7(44.7,6.73) v7(44.86,42.57) v7(44.96,40.94) v7(45.34,3.56) v7(45.42,1.65) v7(45.42,1.04) v7(45.85,4.06) v7(45.87,42.57) v7(46.48,4.83) v7(46.91,1.65) v7(46.91,1.04) v7(46.99,40.64) v7(46.99,39.37) v7(47.24,5.21) v7(47.24,3.94) v7(47.88,4.7) v7(48.26,39.37) v7(48.26,38.1) v7(48.39,3.43) v7(48.41,1.63) v7(48.41,1.02) v7(48.51,4.06) v7(49.02,27.69) v7(49.02,27.3) v7(49.02,26.16) v7(49.02,25.78) v7(49.28,28.96) v7(49.4,27.69) v7(49.4,27.3) v7(49.4,26.16) v7(49.4,25.78) v7(49.4,11.94) v7(49.4,10.79) v7(49.4,9.78) v7(49.4,8.76) v7(49.4,7.87) v7(49.4,6.6) v7(49.53,39.37) v7(49.53,38.1) v7(49.53,36.83) v7(49.53,16.56) v7(49.53,16.18) v7(49.53,15.8) v7(49.53,15.04) v7(49.53,14.66) v7(49.53,14.27) v7(49.53,13.51) v7(49.53,13.13) v7(49.53,12.75) v7(49.94,1.63) v7(49.94,1.02) v7(50.16,5.59) v7(50.8,34.29) v7(50.8,33.02) v7(51.31,3.81) v7(51.92,36.43) v7(52.12,34.44) v7(52.12,34.09) v7(52.07,33.02) v7(52.53,34.44) v7(52.53,34.09) v7(52.53,31.95) v7(52.68,36.63) v7(53.24,36.63) v7(53.29,36.02) v7(53.29,35.66) v7(53.47,28.19) v7(53.47,27.81) v7(54.71,7.26) v7(54.71,6.81) v7(55.17,7.26) v7(55.17,6.81) v7(55.88,5.08) v7(57.15,5.08) v7(57.15,3.81) v7(58.42,5.08) v7(58.42,3.81) v7(59.69,5.08) v7(59.69,3.81) v7(60.96,6.35) v7(60.96,5.08) v7(60.96,3.81) v7(62.23,6.35) v7(62.23,5.08) v7(62.23,3.81) v8(2.03,23.88) v8(4.72,19.1) v8(8.13,6.35) v8(8.64,8.08) v8(9.04,16.15) v8(10.97,17.07) v8(15.65,7.16) v8(15.85,17.37) v8(16.51,8.08) v8(16.87,36.88) v8(17.68,17.58) v8(19.96,9.55) v8(21.49,12.29) v8(21.59,13.31) v8(21.59,0.66) v8(21.89,13.87) v8(22.3,4.67) v8(22.35,5.59) v8(22.96,1.42) v8(24.08,16.05) v8(24.38,38.35) v8(25.5,39.57) v8(25.5,32.72) v8(25.76,30.28) v8(25.91,28.91) v8(26.01,34.75) v8(25.96,0.71) v8(26.67,31.45) v8(26.77,30.23) v8(26.92,33.32) v8(26.87,28.91) v8(27.13,35.97) v8(27.23,27.58) v8(27.58,34.39) v8(27.74,0.71) v8(27.99,26.72) v8(28.85,0.66) v8(29.46,0.71) v8(30.58,9.04) v8(31.7,0.71) v8(32.61,8.79) v8(33.38,7.98) v8(35.05,0.71) v8(35.92,5.49) v8(36.37,5.18) v8(39.96,24.51) v8(40.84,24.03) v8(41.86,24.99) v8(41.91,23.86) v8(42.88,26.06) v8(43.94,27.03) v8(44.4,33.38) v8(45.16,32) v8(45.16,28.55) v8(45.26,30.23) v8(45.57,35.66) v8(51.77,23.37) v8(51.87,21.08) v8(51.92,19) v8(54.2,26.01) v8(54.81,24.74) v8(58.01,29.16) v8(59.13,5.99) v8(60.35,7.42) v8(60.5,31.09) v8(60.45,29.77) v8(61.11,7.42) v8(63.45,6.45) v8(63.45,5.08) v8(63.65,10.92) v8(63.7,8.48) v8(65.68,11.73) v8(65.68,7.01) v8(65.68,5.64) v8(65.68,4.27) v8(66.65,11.43) v9(1.78,0.76) v9(2.13,36.02) v9(2.08,32.97) v9(2.08,29.67) v9(2.29,1.4) v9(3.17,11.18) v9(3.81,1.4) v9(3.81,0.76) v9(4.45,10.29) v9(5.21,1.4) v9(5.33,9.53) v9(5.84,0.76) v9(6.15,35) v9(6.6,17.12) v9(6.73,1.4) v9(6.86,11.43) v9(6.86,8.38) v9(7.11,35.18) v9(7.87,0.76) v9(8.38,1.4) v9(8.51,9.78) v9(9.02,11.05) v9(9.25,38) v9(9.65,0.76) v9(10.26,9.5) v9(10.54,32.89) v9(11.73,40.18) v9(11.94,37.72) v9(14.1,36.32) v9(14.73,37.85) v9(15.04,20.12) v9(16.36,20.12) v9(18.44,10.77) v9(18.69,37.69) v9(18.75,34.49) v9(18.8,39.17) v9(19.91,23.83) v9(21.44,38.81) v9(21.72,27.43) v9(22.99,0.71) v9(23.22,39.22) v9(23.5,0.71) v9(24.51,30.1) v9(25.02,0.71) v9(26.42,38.1) v9(26.67,0.71) v9(30.18,0.71) v9(31.14,0.71) v9(32.26,0.76) v9(33.53,0.76) v9(36.32,0.76) v9(37.34,2.49) v9(39.27,0.76) v9(40.39,0.76) v9(44.96,38.86) v9(45.85,37.85) v9(45.92,26.26) v9(47.09,27.48) v9(48.31,6.96) v9(48.31,5.23) v9(48.51,29.11) v9(48.51,28.65) v9(49.17,4.01) v9(49.78,5.44) v9(50.29,3.2) v9(50.5,24.28) v9(50.55,0.76) v9(51.05,25.6) v9(51.05,3.43) v9(52.2,25.65) v9(52.32,21.08) v9(52.58,0.76) v9(52.7,39.37) v9(52.7,22.61) v9(52.83,3.66) v9(53.85,36.07) v9(53.85,35.61) v9(54.61,0.76) v9(54.74,27.3) v9(54.86,22.1) v9(54.86,20.32) v9(56.64,0.76) v9(57.02,17.53) v9(57.4,26.29) v9(57.66,10.62) v9(57.81,15.6) v9(58.42,26.92) v9(58.67,0.76) v9(58.8,15.37) v9(60.07,28.19) v9(60.07,16.13) v9(60.71,0.76) v9(61.72,26.67) v9(62.23,22.99) v9(62.74,0.76) v9(63.04,16.31) v9(63.45,17.98) v9(63.65,37.13) v9(63.65,15.39) v9(63.88,25.53) v9(64.26,22.86) v9(64.77,0.76) v9(66.8,0.76)
